# KiCad board EBAZ4205.kicad_pcb
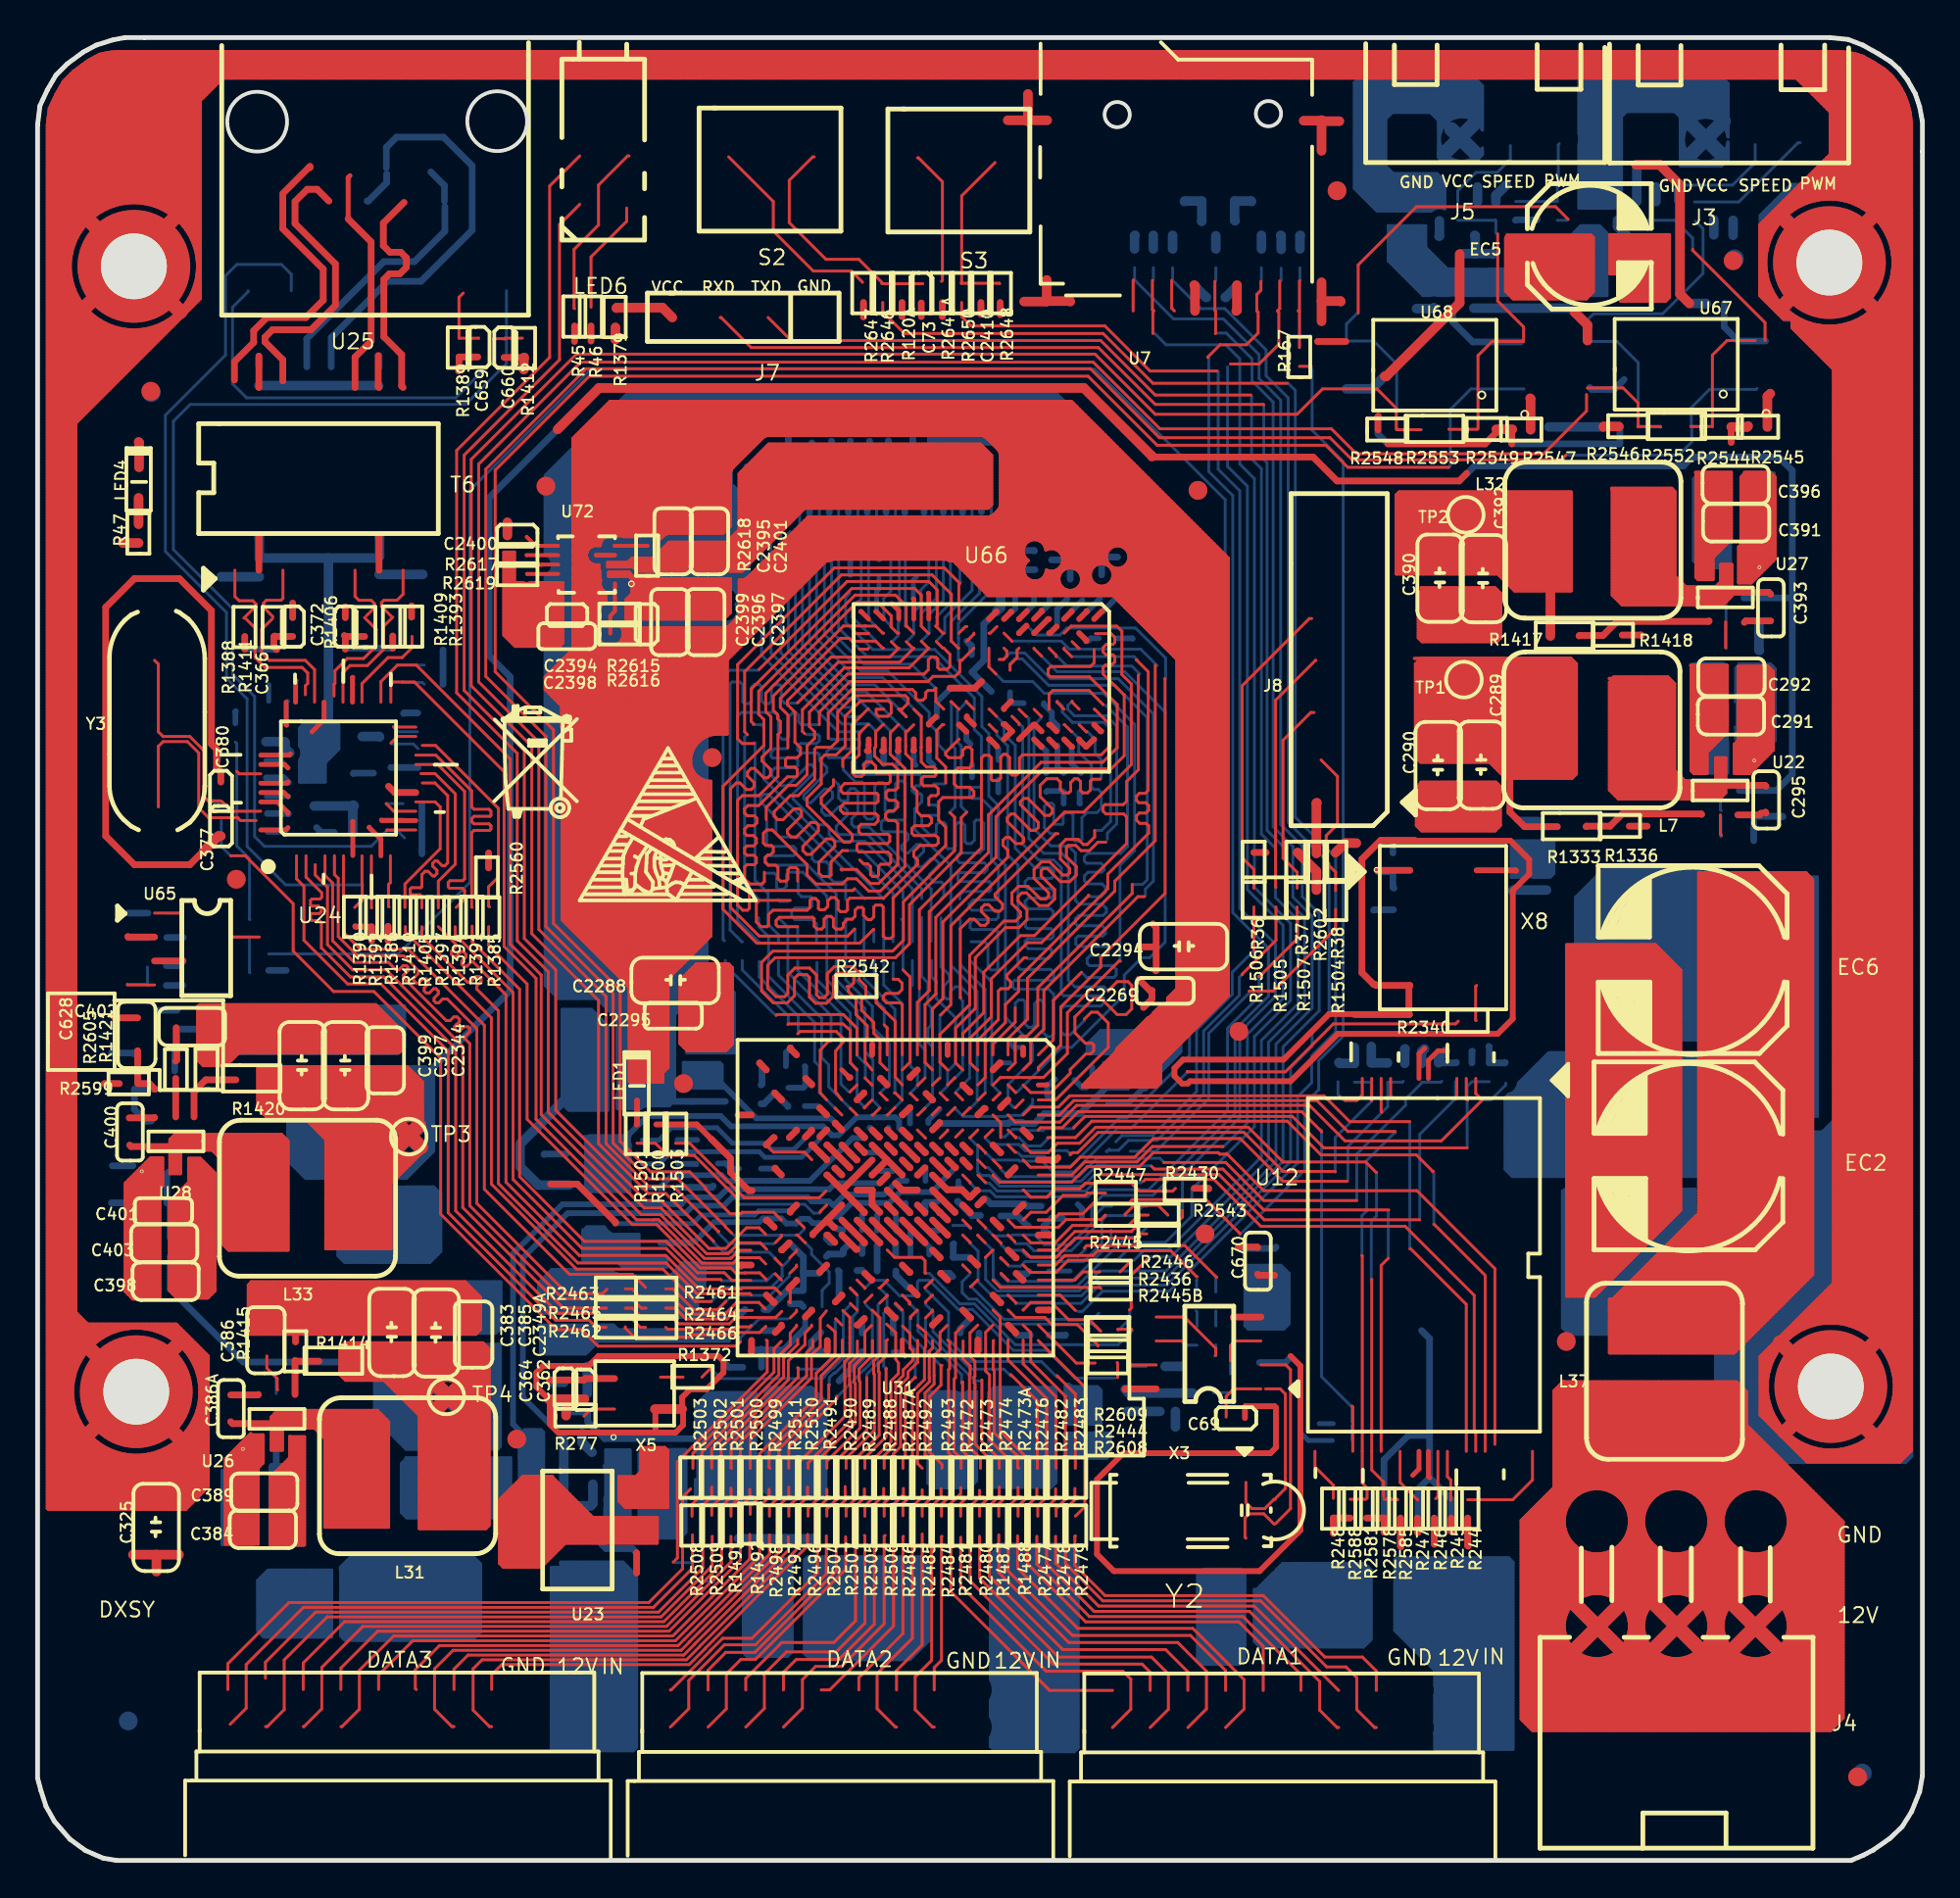
[diagram p0: board, top side]
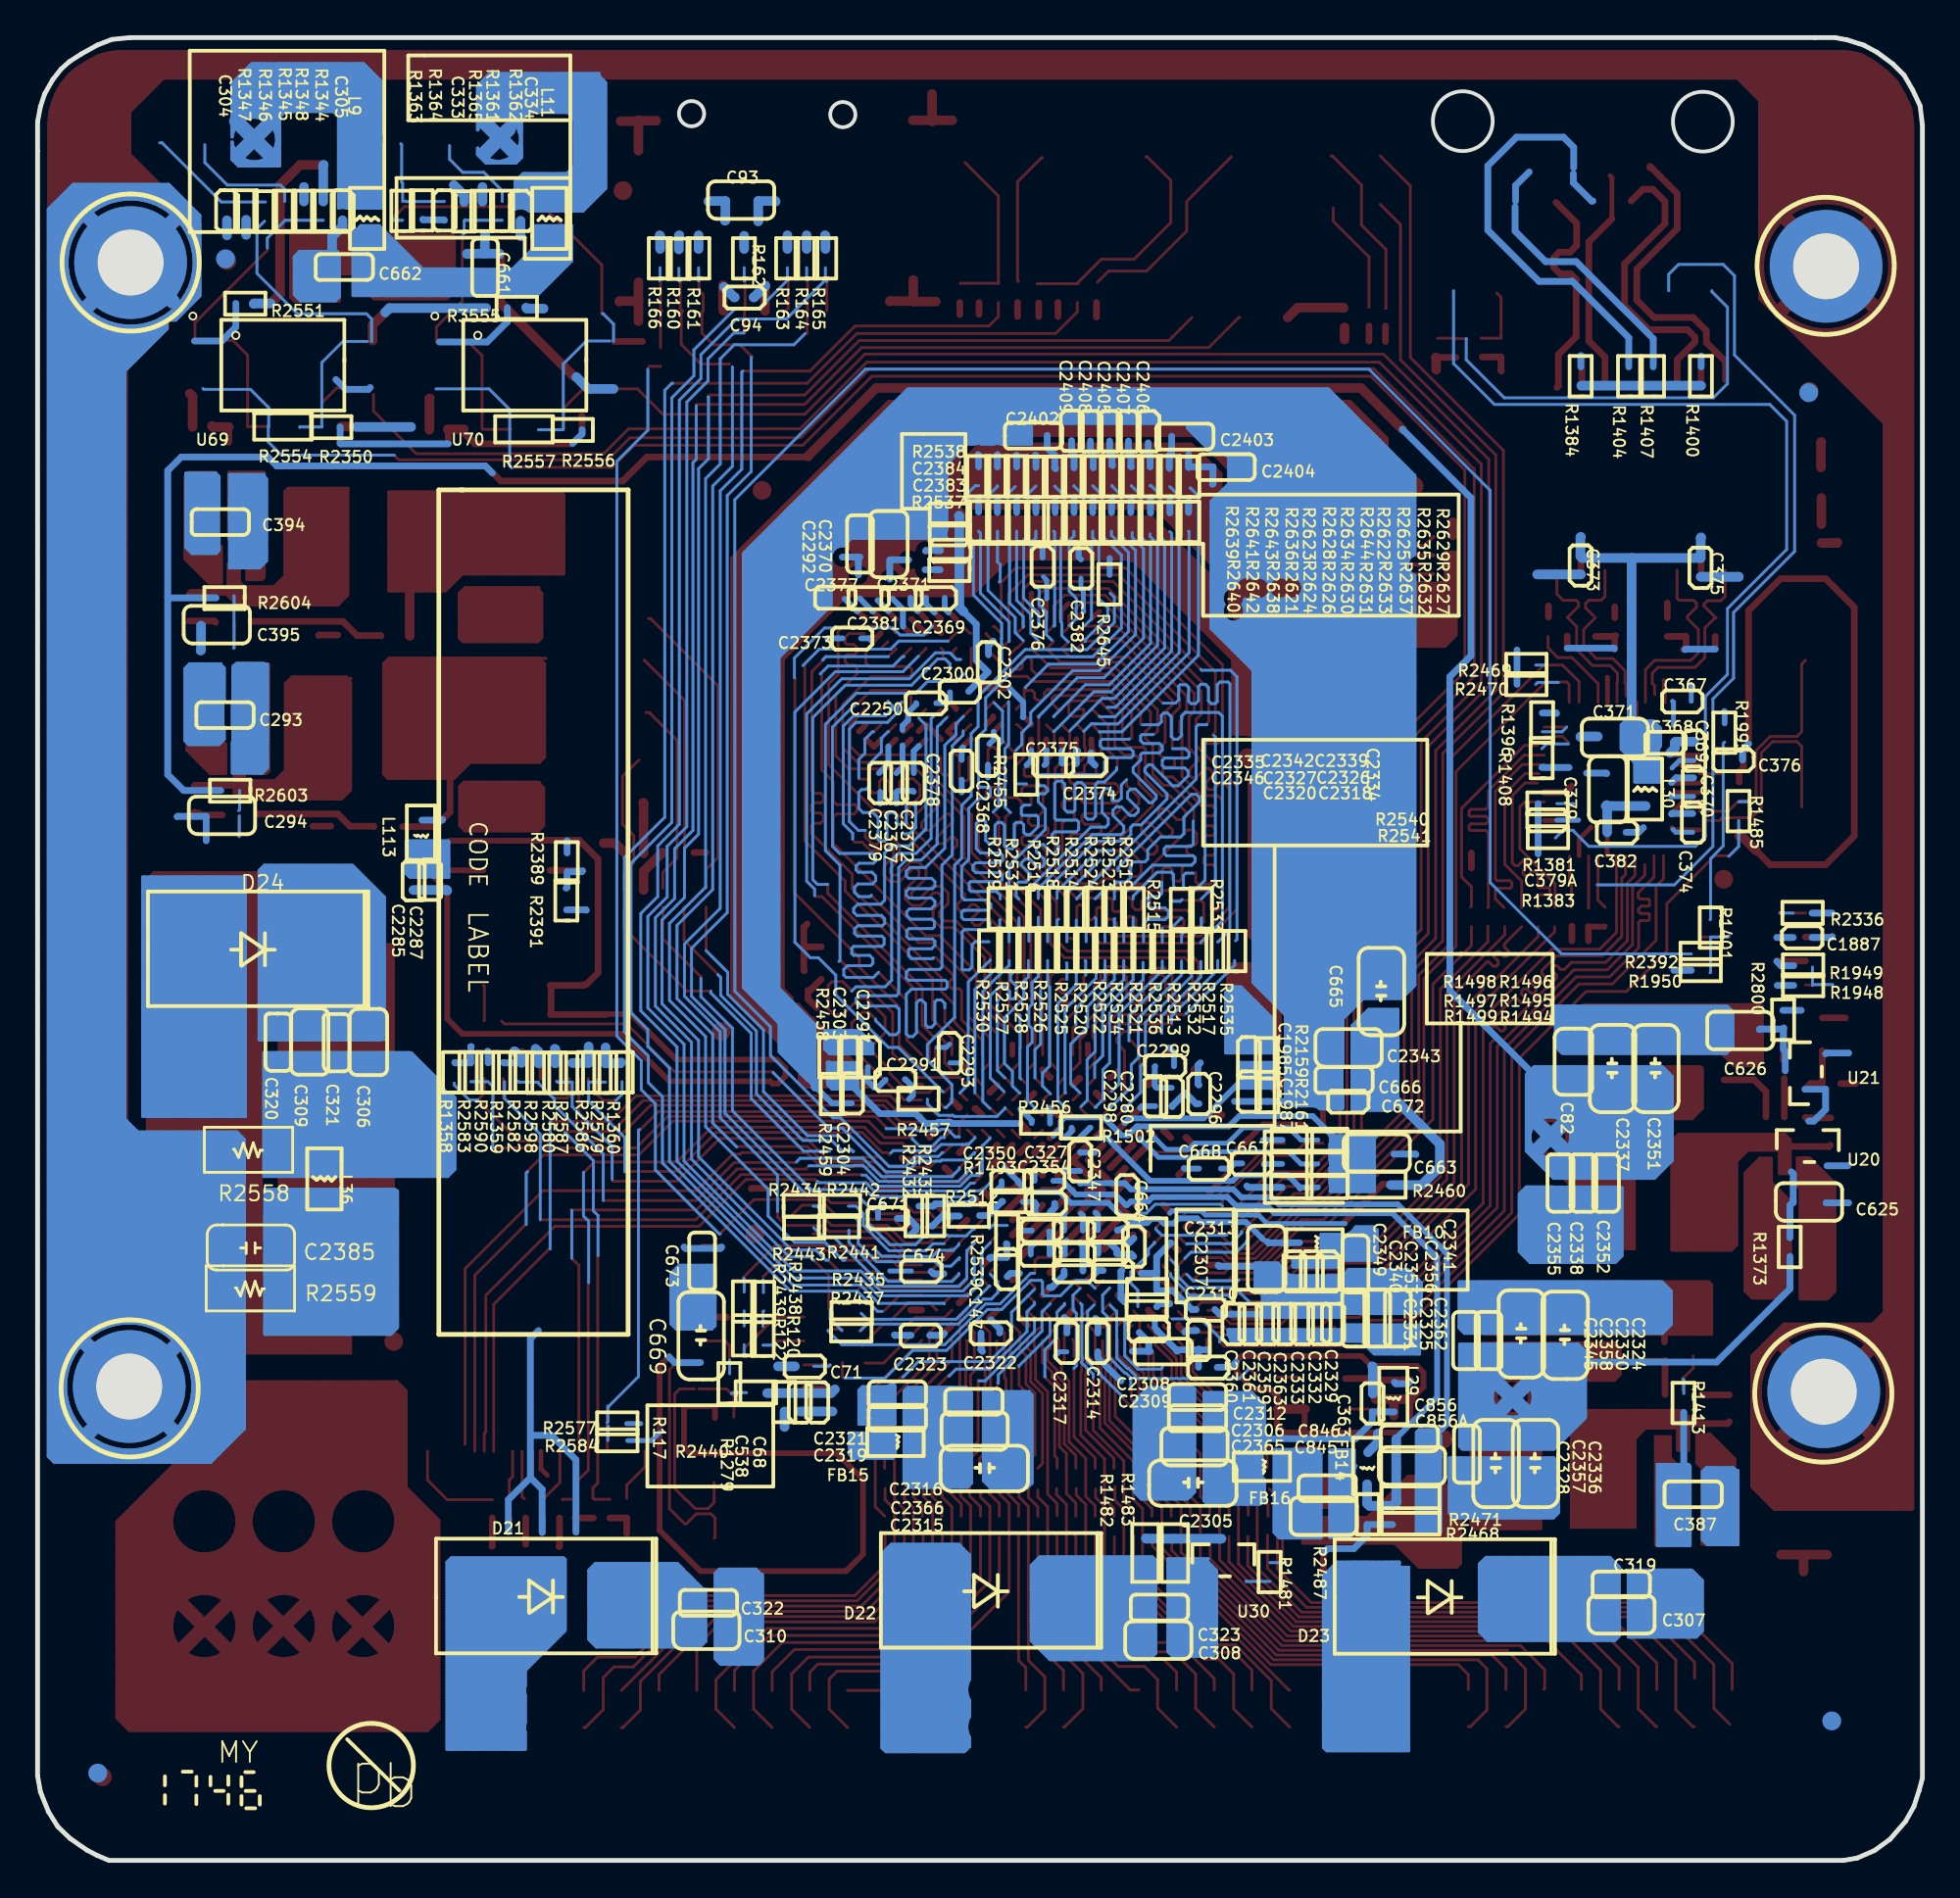
[diagram p1: board, bottom side, seen from below]

Outline 100.3 x 97.03 mm; copper layers: Top, In1.Cu, In2.Cu, Bottom. Coordinates in mm from the lower left corner of the outline.
Outline path: 5.73,97.03 4.65,97.03 4,96.9 3.12,96.63 2.43,96.25 1.58,95.63 0.98,95.03 0.53,94.25 0.12,93.4 0,92.38 0,4.38 0.18,3.73 0.45,2.88 0.9,2.08 1.73,1.12 2.55,0.53 3.48,0.12 4.2,0 96.5,0 97.15,0.28 97.68,0.55 98.58,1.18 99.22,1.8 99.72,2.6 100.15,3.65 100.3,4.5 100.3,92.55 100.15,93.35 99.93,94.03 99.5,94.78 99.05,95.35 98.6,95.75 97.97,96.15 97.12,96.63 96.35,96.92 95.38,97.03 5.7,97.03

## Placement (name value [footprint] x y rotation side)
NOREF  -  [DEFAULT]  -88.42 -73.64 0 top

## Footprints (pads in the part's own frame, mm; a bottom-side part is the same pattern mirrored in y, then rotated)
DEFAULT
  round 1 smd far side: (93.248,81.065) (94.473,151.765) (178.723,158.89) (185.523,78.29)
  round 1 smd: (94.448,151.84) (98.998,125.865) (113.923,96.065) (115.473,146.79) (122.798,114.99) (124.323,132.34) (150.173,146.565) (150.548,106.99) (152.348,117.765) (157.573,162.515) (169.773,101.265) (178.648,158.79) (185.273,78.09)
  round 6 hole 3.5: 1(183.773,158.69) 2(183.848,98.865) 3(93.673,98.59) 4(93.548,158.49)

## Nets
GNDA: NOREF.1 NOREF.2 NOREF.3 NOREF.4
